# Altium PCB HV_Module_6W.PCBDOC (part 2 of 4) (continued)
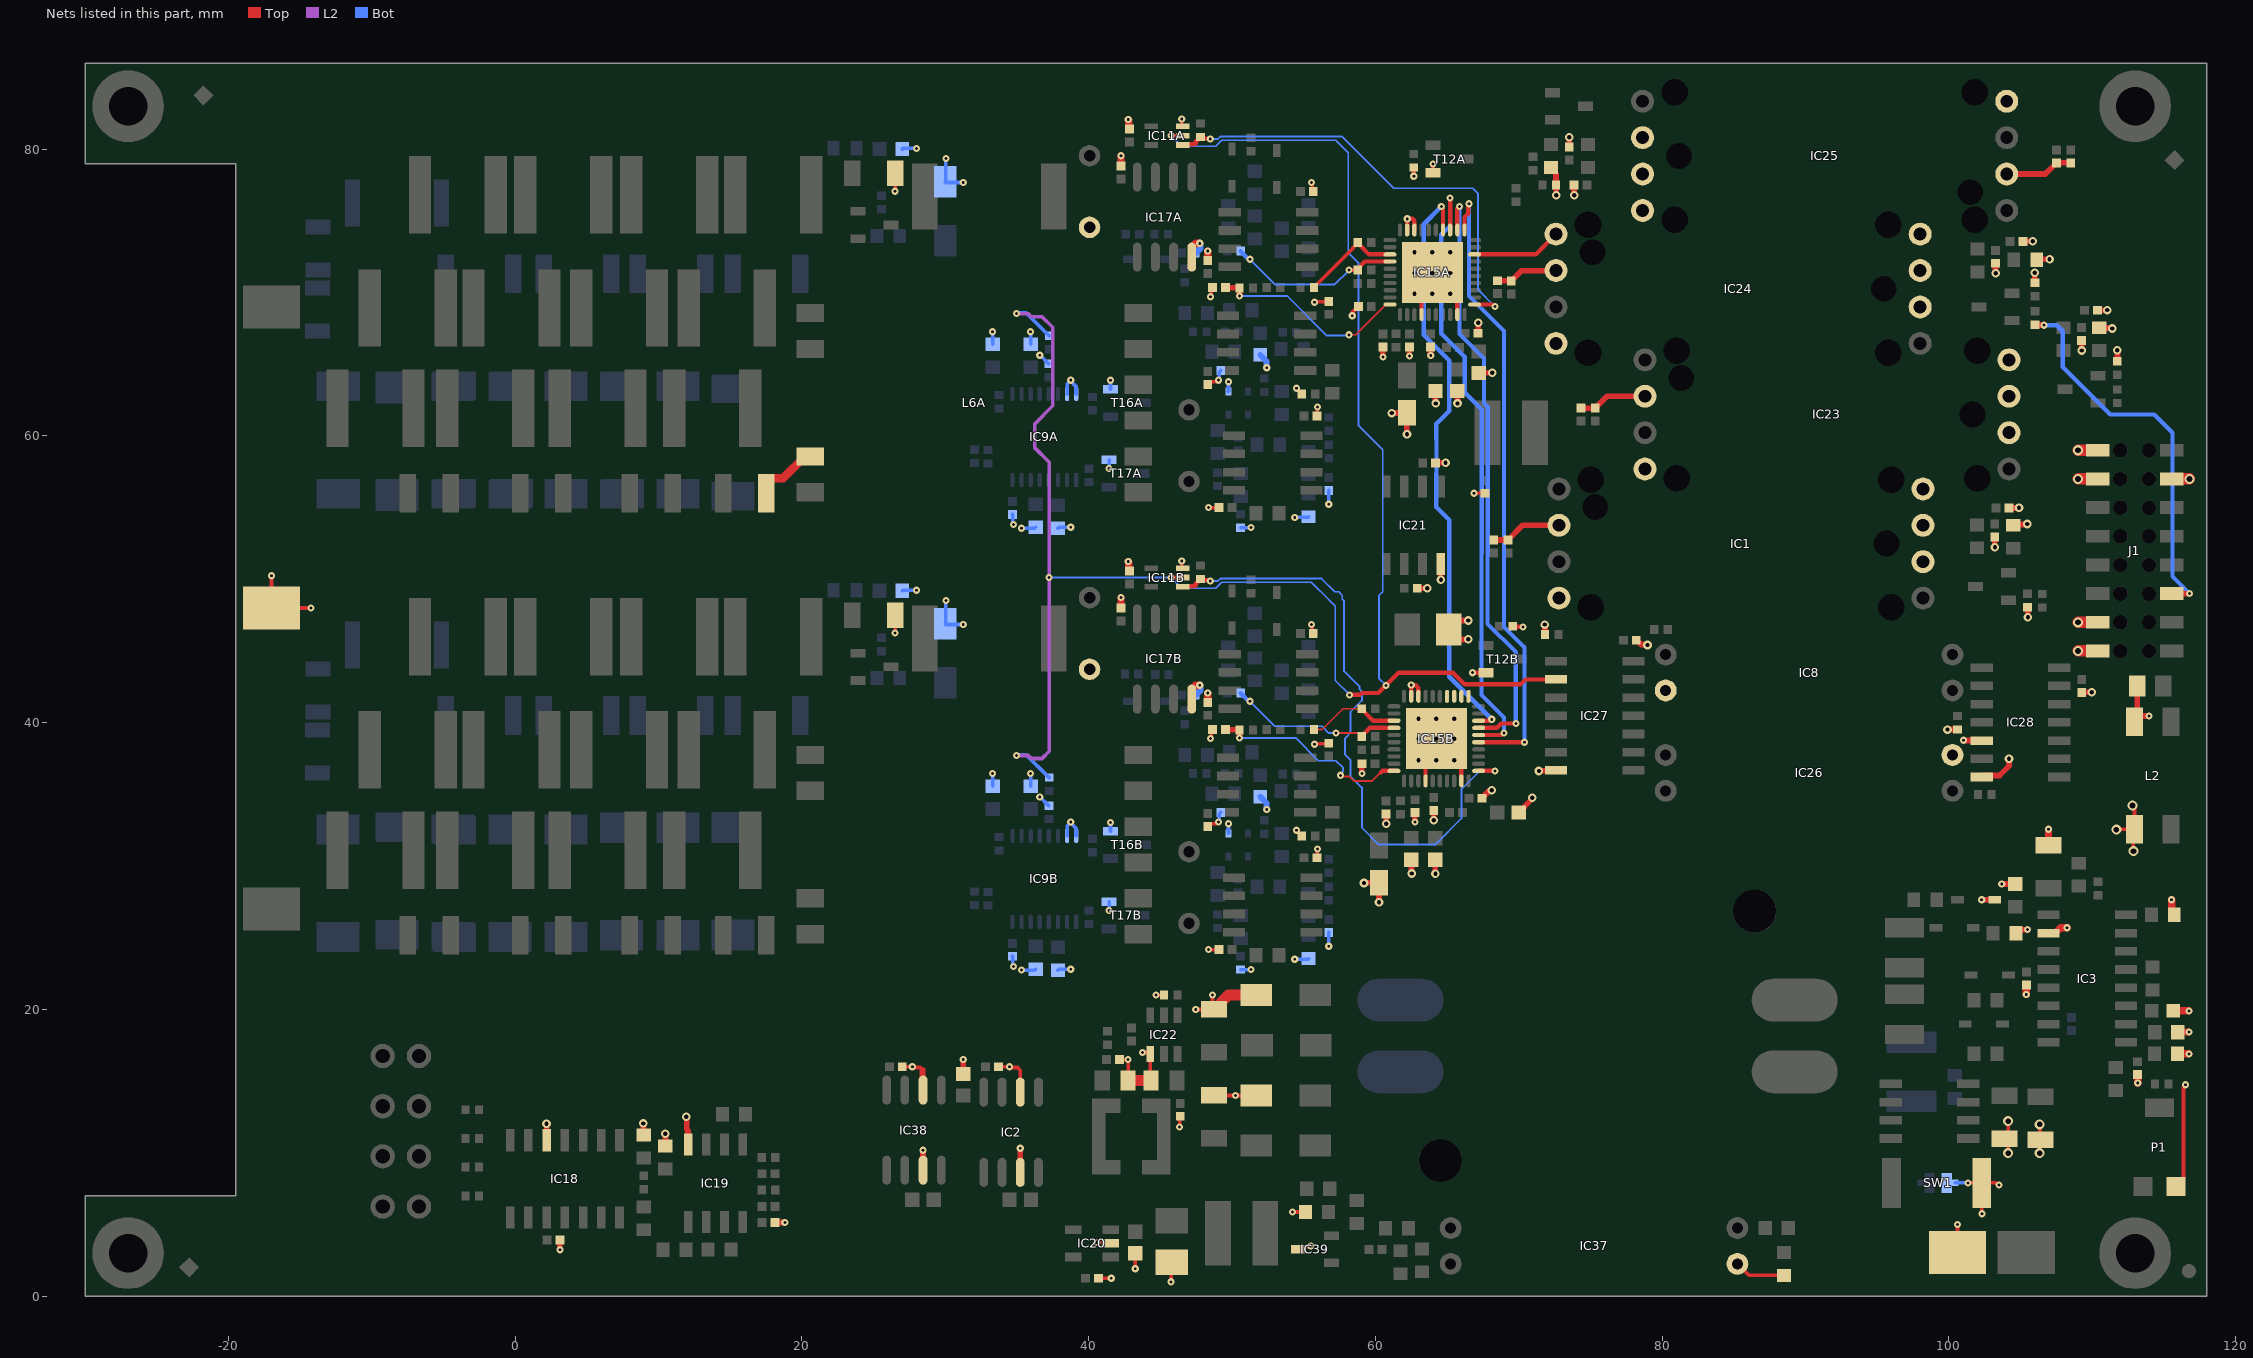
[diagram p4: the nets of this part, all layers, seen from the top]
## Part data (continued)
FTG1: library part FIDUCIAL_TARGET_C100-200, "Fiducial Target", Author="CERN DEM JLC", Component Type="Standard (No BOM)", ComponentHeight=0mm, CreateDate=09.02.2010, Family=Fiducial, HelpURL=Undefined, LatestRevisionDate=04.04.2012, Mounted=No, PackageDescription="Round Fiducial Target, Top Layer, 1.0mm, Top Solder 2.0mm, Keepout =2.0mm", Part Description="Round Fiducial Target, Top Layer, 1.0mm, Top Solder 2.0mm, Keepout =2.0mm", Part Number=FIDUCIAL_TARGET_C100-200, Pin Count=1, Sense=No, SMD=Yes, Socket=No, Status=None
FTG2 FTG3 FTG4: library part FIDUCIAL_TARGET_S100-200, "Fiducial Target", Author="CERN DEM JLC", Component Type="Standard (No BOM)", ComponentHeight=0mm, CreateDate=09.02.2010, Family=Fiducial, HelpURL=Undefined, LatestRevisionDate=04.04.2012, Mounted=No, PackageDescription="Square Fiducial Target, Top Layer, 1.0mm, Top Solder 2.0mm, Keepout =2.0mm", Part Description="Square Fiducial Target, Top Layer, 1.0mm, Top Solder 2.0mm, Keepout =2.0mm", Part Number=FIDUCIAL_TARGET_S100-200, Pin Count=1, Sense=No, SMD=Yes, Socket=No, Status=None
IC1 IC23 IC24 IC25: "High Voltage Galvanic Insulation Link for DC to 5MBaud", Manufacturer=BROADCOM, Author="CERN DEM HF", Bonding=No, Component Type=Standard, ComponentHeight=6.7mm, CreateDate=10.02.2022, Device=AFBR-390525RZ, HelpURL=\\cern.ch\dfs\Applications\Altium\Datasheets\AFBR-390525RZ.pdf, LatestRevisionDate=10.02.2022, Manufacturer Part Number=AFBR-390525RZ, Mounted=Yes, PackageDescription="BROADCOM AFBR-390525RZ Case, Body 30.46mm L X 10.16mm W X 6.7mm H", Part Description="High Voltage Galvanic Insulation Link for DC to 5MBaud, Length 25mm, 15kV Voltage Supperssion", Part Number=AFBR-390525RZ, Pin Count=8, PressFit=No, Sense=No, SMD=No, Socket=No
IC2 IC38: library part PM_TC7660, "20mA PUMP DC-TO-DC VOLTAGE CONVERTER"
IC3: library part PM_L6599, "Improved high voltage resonant LLC controller", Case=SO-16, Manufacturer="ST MICROELECTRONICS", Author=GK, Bonding=No, Component Type=Standard, ComponentHeight=1.75mm, CreateDate=2016-05-23, Device=L6599AD, LatestRevisionDate=2016-05-23, Manufacturer Part Number=L6599AD, Mounted=Yes, PackageDescription="SOIC 16, Pitch 1.27mm - Body 4x10mm, IPC Medium Density", Part Description="Improved high voltage resonant controller", Part Number=L6599AD, Pin Count=16, PressFit=No, Sense=No, SMD=Yes, Socket=No
IC8 IC26 IC37: library part OPTO-OPI1264C, "10kV opto-coupler", Supplier Part Number 1=08F2863, Supplier 1=Newark
IC9A IC9B: library part UC3872, "Resonant Lamp Ballast Controller"
IC11A IC11B: "Single Bus Buffer Gate With 3-State Output", Case=SOT353, Manufacturer=NEXPERIA, Author="CERN DEM JMW", Bonding=No, Component Type=Standard, ComponentHeight=1.1mm, CreateDate=06.08.2020, Device=74HCT1G125GW, HelpURL=\\cern.ch\dfs\Applications\Altium\Datasheets\74HCT1G125GW.pdf, LatestRevisionDate=06.08.2020, Manufacturer Part Number=74HCT1G125GW, Mounted=Yes, PackageDescription="SOT353, SC70-5, 0.65mm Pitch; 5 Pin, 1.25mm W X 2.00mm L X 1.10mm H body, IPC Medium Density", Part Description="Bus Buffer/Line Driver 3-State", Part Number=74HCT1G125GW, Pin Count=5, PressFit=No, Sense=No, SMD=Yes, Socket=No
IC13A IC13B IC14A IC14B IC16A IC16B: library part OA_ADA4510-2ARZ, "Precision, 40 V, ±70 nV/°C, Rail-to-Rail Input and Output Op Amp with DigiTrim", Case=SOIC8, Manufacturer="ANALOG DEVICES", Author=GK, Bonding=No, Component Type=Standard, ComponentHeight=1.75mm, CreateDate=05.01.2023, Device=ADA4510-2ARZ, HelpURL=\\cern.ch\dfs\Applications\Altium\Datasheets\ADA4522-X.pdf, LatestRevisionDate=05.01.2023, Manufacturer Part Number=ADA4510-2ARZ, Mounted=Yes, PackageDescription="SOIC 8, Pitch 1.27mm - Body 4x5mm, IPC Medium Density", Part Description="40V, EMI Enhanced, Zero Drift, Ultralow Noise, Dual Rail-to-Rail Output Operational Amplifier", Part Number=ADA4510-2ARZ, Pin Count=8, PressFit=No, Sense=No, SMD=Yes, Socket=No
IC15A IC15B: "12-/16-Bit DAS with ADC, DACs, DPIOs, APIOs, Reference, Voltage Monitors, and Temp Sensor", Case=QFN40, Manufacturer=MAXIM, Author="CERN DEM HF", Bonding=No, Component Type=Standard, ComponentHeight=0.8mm, CreateDate=09.02.2022, Device=MAX1329BETL+, HelpURL=\\cern.ch\dfs\Applications\Altium\Datasheets\MAX1329BETL+.pdf, LatestRevisionDate=09.02.2022, Manufacturer Part Number=MAX1329BETL+, Mounted=Yes, PackageDescription="QFN, 0.50mm Pitch, Square; 40 Pin, 6.00mm L X 6.00mm W X 0.80mm H body (w/Thermal Tab 4.25 X 4.25mm), IPC Medium Density", Part Description="12-/16-Bit DAS with ADC, DACs, DPIOs, APIOs, Reference, Voltage Monitors, and Temp Sensor", Part Number=MAX1329BETL+, Pin Count=41, PressFit=No, Sense=No, SMD=Yes, Socket=No
IC17A IC17B: library part OA_LMV358, "Low voltage, Rail-to_Rail output Operational Amplifier"
IC18: "Quad Operational Amplifier", Case=SOIC14, Manufacturer="TEXAS INSTRUMENTS", Author="CERN DEM MR", Bonding=No, Component Type=Standard, ComponentHeight=1.75mm, CreateDate=23.03.2016, Device=LP339M/NOPB, HelpURL=\\cern.ch\dfs\Applications\Altium\Datasheets\LP339M-NOPB.pdf, LatestRevisionDate=23.03.2016, Manufacturer Part Number=LP339M/NOPB, Mounted=Yes, PackageDescription="SOIC 14, Pitch 1.27mm - Body 4x8.75mm, IPC Medium Density", Part Description="Ultra-Low Power Quad Comparator", Part Number=LP339M/NOPB, Pin Count=14, PressFit=No, Sense=No, SMD=Yes, Socket=No
IC19: "Dual Operational Amplifier", Case=SOIC8, Manufacturer="ST MICROELECTRONICS", Author="CERN DEM HF", Bonding=No, Component Type=Standard, ComponentHeight=1.75mm, CreateDate=21.12.2023, Device=LMV358IDT, HelpURL=\\cern.ch\dfs\Applications\Altium\Datasheets\LMV358.pdf, LatestRevisionDate=21.12.2023, Manufacturer Part Number=LMV358IDT, Mounted=Yes, PackageDescription="SOIC 8, Pitch 1.27mm - Body 4x5mm, IPC Medium Density", Part Description="Dual General Purpose, Low Voltage, Tiny Pack Comparator", Part Number=LMV358IDT, Pin Count=8, PressFit=No, Sense=No, SMD=Yes, Socket=No
IC20: "3.3V 300mA, Ultra-Low Quiescent Current, IQ 12uA, Ultra-Low Noise, LDO Voltage Regulator", Case=SOT23-5, Manufacturer="ON SEMICONDUCTOR", Author="CERN DEM JLC", Bonding=No, Component Type=Standard, ComponentHeight=1.1mm, CreateDate=16.02.2017, Device=NCP703SN33T1G, HelpURL=\\cern.ch\dfs\Applications\Altium\Datasheets\NCP703SN33T1G.pdf, LatestRevisionDate=16.02.2017, Manufacturer Part Number=NCP703SN33T1G, Mounted=Yes, PackageDescription="SOT, 0.95mm Pitch; 5 Pin, 1.50mm W X 3.00mm L X 1.10mm H Body, IPC Medium Density", Part Description="3.3V 300mA, Ultra-Low Quiescent Current, IQ 12uA, Ultra-Low Noise, LDO Voltage Regulator", Part Number=NCP703SN33T1G, Pin Count=5, PressFit=No, Sense=No, SMD=Yes, Socket=No
IC21: "2.5V ±0.12% 10ppm/°C Ultralow Noise XFET Voltage References with Current Sink and Source Capability", Case=SOIC8, Manufacturer="ANALOG DEVICES", Author="CERN DEM JLC", Bonding=No, Component Type=Standard, ComponentHeight=1.75mm, CreateDate=26.08.2013, Device=ADR431ARZ, HelpURL=\\cern.ch\dfs\Applications\Altium\Datasheets\ADR431ARZ.pdf, LatestRevisionDate=26.08.2013, Manufacturer Part Number=ADR431ARZ, Mounted=Yes, PackageDescription="SOIC 8, Pitch 1.27mm, Body 4x5mm, IPC Medium Density", Part Description="2.5V Output,  3mV ±0.12% Accuracy, 10ppm/°C Ultralow Noise XFET Voltage References with Current Sink and Source Capability", Part Number=ADR431ARZ, Pin Count=6, PressFit=No, Sense=No, SMD=Yes, Socket=No
IC22: "4.2V TO 18V INPUT, 2A LOW IQ SYNCHRONOUS BUCK CONVERTER", Case=SOT23-6, Manufacturer="DIODES INCORPORATED", Author="CERN DEM HF", Bonding=No, Component Type=Standard, ComponentHeight=1.1mm, CreateDate=07.01.2022, Device=AP62201WU-7, HelpURL=\\cern.ch\dfs\Applications\Altium\Datasheets\AP6220x.pdf, LatestRevisionDate=07.01.2022, Manufacturer Part Number=AP62201WU-7, Mounted=Yes, PackageDescription="SOT23, 0.95mm Pitch; 6 Pin, 1.625mm W X 2.90mm L X 1.00mm H body, IPC Medium Density", Part Description="4.2V TO 18V INPUT, 2A LOW IQ SYNCHRONOUS BUCK CONVERTER", Part Number=AP62201WU-7, Pin Count=6, PressFit=No, Sense=No, SMD=Yes, Socket=No
IC27 IC28: "Hex Schmitt-Trigger Inverter", Case=SOIC14, Manufacturer="TEXAS INSTRUMENTS", Author="CERN DEM JMW", Bonding=No, Component Type=Standard, ComponentHeight=1.75mm, CreateDate=29.09.2008, Device=SN74LVC14AD, HelpURL=\\cern.ch\dfs\Applications\Altium\Datasheets\SN74LVC14AD.pdf, LatestRevisionDate=29.09.2008, Manufacturer Part Number=SN74LVC14AD, Mounted=Yes, PackageDescription="SOIC 14, Pitch 1.27mm - Body 4x8.75mm, IPC Medium Density", Part Description="Hex Schmitt-Trigger Inverter", Part Number=SN74LVC14AD, Pin Count=14, PressFit=No, Sense=No, SMD=Yes, Socket=No
IC39: "Precision Reference 1=Cathode 2=Adj 3=Anode", Case=SOT-23, Manufacturer="TEXAS INSTRUMENTS", Author="CERN DEM JMW", Bonding=No, Component Type=Standard, ComponentHeight=1.12mm, CreateDate=2015-10-22, Device=TL431AIDBZ, HelpURL=\\cern.ch\dfs\Applications\Altium\Datasheets\TL431AIDBZ.pdf, LatestRevisionDate=2015-10-22, Manufacturer Part Number=TL431AIDBZ, Mounted=Yes, PackageDescription="SOT, 0.95mm, Pitch; 3 Pin,1.30mm W X 2.92mm L X 1.12mm H Body, IPC Medium Density", Part Description="Vref (2.495V) To 36V 1% Precision Programmable Reference", Part Number=TL431AIDBZ, Pin Count=3, PressFit=No, Sense=No, SMD=Yes, Socket=No
J1: library part 62131621821, "Socket Header WR-PHD, Pitch 2.00 mm, SMT, Vertical, dual row, 16 pin", Contact Resistance="20 mOhm", Insulation Resistance=">1000 MOhm", Operating Temperature="-40 to 105 degC", Rated Current="2 A", Working Voltage="200 VAC", ComponentLink1Description=Manufacturer, ComponentLink1URL=http://www.we-online.de, ComponentLink2Description=Datasheet, ComponentLink2URL=http://katalog.we-online.com/em/datasheet/62131621821.pdf, Mounting Technology=SMT, Orientation=Vertical, Part Number=62131621821, Pin Number=16, Pitch="2.00 mm", Published Date="Jan. 2018", Publisher="Wurth Elektronik", Row Number=dual
J3 J4 J7 J11 J12: library part SMD_PAD_4X3MM, "Single SMD Pad", Author="CERN DEM JLC", Component Type="Standard (No BOM)", ComponentHeight=0mm, Family="SMD Pad", HelpURL=Undefined, Mounted=No, PackageDescription="4mm x  3mm SMD Pad", Part Description="4mm x 3mm SMD Pad", Part Number=SMD_PAD_4X3MM, Pin Count=1, Sense=No, SMD=No, Socket=No, Status=None
  J3 J4 J7: CreateDate=15.03.2010, LatestRevisionDate=15.03.2010
  J11 J12: CreateDate=2010-03-15, LatestRevisionDate=2010-03-15
L1 L9: library part 760308101104, "WE-WPCC Wireless Power Transfer Transmitter Coil, THT, works with Qi Tx IC's, 6.8uH, 50W", DC Resistance Max=130mOhm, Manufacturer="Wurth Elektronik", Operating Temperature Max=105°C, Operating Temperature Min=-20°C, Power Capability=50W, Rated Current=2.5A, Self Resonant Frequency=20MHz, Category="Wireless Power Transmission", Compliance="works with Qi Tx IC's", ComponentLink1Description="Website Link", ComponentLink1URL=https://www.we-online.com/redexpert/article/760308101104?ad, ComponentLink2Description="Datasheet Link", ComponentLink2URL=https://www.we-online.com/redexpert/spec/760308101104?ad, Diameter=20mm, Height=2.8mm, Inductance=6.8uH, Manufacturer Part Number=760308101104, Match Code=WE-WPCC, Mount="Through Hole", Packaging=Tray, Q Factor=42
L2: library part IND_250UH_50%_WURTH_WE-SL2-744224, "Inductor Common Mode", Manufacturer="WURTH ELEKTRONIK", Manufacturer Part Number=744224, Power=1.2A, Resistance=0.13R, Tolerance=±50%, Author="CERN DEM JLC", Component Type=Standard, ComponentHeight=5.3mm, CreateDate=02.12.2009, HelpURL=\\cern.ch\dfs\Applications\Altium\Datasheets\IND_WURTH_WE-SL2_744224.pdf, LatestRevisionDate=15.10.2012, Mounted=Yes, Part Description="Common Mode SMD Line Filter (WE-SL2 Series)", Part Number=IND_250UH_50%_WURTH_WE-SL2-744224, Pin Count=4, Sense=No, SMD=Yes, Socket=No
L3 L7: library part IND_10UH_20%_BOURNS_PM43, "Inductor With Core", Manufacturer=BOURNS, Manufacturer Part Number=PM43-100M-RC, Power=1.15A, Resistance=0.18R, Tolerance=±20%, Author="CERN DEM JLC", Component Type=Standard, ComponentHeight=3.5mm, CreateDate=17/05/2011, HelpURL=\\cern.ch\dfs\Applications\Altium\Datasheets\IND_BOURNS_PM43.pdf, LatestRevisionDate=17/05/2011, Mounted=Yes, Part Description="SMD Power Inductor", Part Number=IND_10UH_20%_BOURNS_PM43, Pin Count=2, Sense=No, SMD=Yes, Socket=No, Status=None
L4: library part IND_3.3UH_30%_WURTH_WE-TPC_744043003, "Inductor With Core", Manufacturer="WURTH ELEKTRONIK", Manufacturer Part Number=744043003, Power=2.15A, Resistance=0.03R, Tolerance=±30%, Author="CERN DEM JLC", Component Type=Standard, ComponentHeight=3mm, CreateDate=12.07.2011, HelpURL=\\cern.ch\dfs\Applications\Altium\Datasheets\IND_WURTH_WE-TPC_744043003.pdf, LatestRevisionDate=24.01.2012, Mounted=Yes, Part Description="Shielded Tiny Power Inductor (WE-TPC Serie)", Part Number=IND_3.3UH_30%_WURTH_WE-TPC_744043003, Pin Count=2, Sense=No, SMD=Yes, Socket=No
L6A L6B: library part XFMR_COILCRAFT_FL2015-5L, "Shielded Power Inductor", Manufacturer=COILCRAFT, Manufacturer Part Number=FL2015-5L, Author="CERN DEM HF", Component Type=Standard, ComponentHeight=7.87mm, CreateDate=20.12.2023, HelpURL=\\cern.ch\dfs\Applications\Altium\Datasheets\XFMR_COILCRAFT_FL2015.pdf, LatestRevisionDate=20.12.2023, Mounted=Yes, Part Description="Transformers for Royer and Flyback Topologies FL Series", Part Number=XFMR_COILCRAFT_FL2015-5L, Pin Count=10, Sense=No, SMD=Yes, Socket=No, Status=None
L8A L8B: library part IND_150UH_30%_WURTH_WE-TPC_744066151, "Inductor With Core", Manufacturer="WURTH ELEKTRONIK", Manufacturer Part Number=744066151, Power=3A, Resistance=0.400R, Tolerance=±30%, Author="CERN DEM HF", Component Type=Standard, ComponentHeight=4.1mm, CreateDate=20.12.2023, HelpURL=\\cern.ch\dfs\Applications\Altium\Datasheets\IND_WURTH_WE-TPC_744066151.pdf, LatestRevisionDate=20.12.2023, Mounted=Yes, Part Description="Shielded Tiny Power Inductor (WE-TPC Series)", Part Number=IND_150UH_30%_WURTH_WE-TPC_744066151, Pin Count=2, Sense=No, SMD=Yes, Socket=No
LD1 LD3: library part LED_DIALIGHT_555-2301F, "LED Green 1C 2A", Manufacturer=DIALIGHT, Manufacturer Part Number=555-2301F, Author="CERN DEM JMW", Bonding=No, Color=Green, Component Type=Standard, ComponentHeight=6.35mm, CreateDate=22.09.2008, HelpURL=\\cern.ch\dfs\Applications\Altium\Datasheets\LED_DIALIGHT_555-2301F.pdf, LatestRevisionDate=17.03.2010, Mounted=Yes, PackageDescription="Single 2mm Green LED, Body 5.08x2.54mm, Pin spacing 2.54mm", Part Description="Single 2mm Green LED CBI® Circuit Board Indicator", Part Number=LED_DIALIGHT_555-2301F, Pin Count=2, PressFit=No, Sense=No, SMD=No, Socket=No
LD2 LD4: library part LED_DIALIGHT_555-2001F, "LED Red 1C 2A", Manufacturer=DIALIGHT, Manufacturer Part Number=555-2001F, Author="CERN DEM JMW", Bonding=No, Color=Red, Component Type=Standard, ComponentHeight=6.35mm, CreateDate=22.09.2008, HelpURL=\\cern.ch\dfs\Applications\Altium\Datasheets\LED_DIALIGHT_555-2001F.pdf, LatestRevisionDate=17.03.2010, Mounted=Yes, PackageDescription="Single 2mm Red LED, Body 5.08x2.54mm, Pin spacing 2.54mm", Part Description="Single 2mm Red LED CBI® Circuit Board Indicator", Part Number=LED_DIALIGHT_555-2001F, Pin Count=2, PressFit=No, Sense=No, SMD=No, Socket=No
LP1 LP2 LP3 LP4: library part LEDLP_BIVAR_PLP2-1200, "LED Light Pipe x1 Type1", Manufacturer=BIVAR, Manufacturer Part Number=PLP2-1200, Author="CERN DEM HF", Bonding=No, Component Type=Standard, ComponentHeight=31.3mm, CreateDate=09.02.2022, HelpURL=\\cern.ch\dfs\Applications\Altium\Datasheets\LEDLP_BIVAR_PLP2-1200.pdf, LatestRevisionDate=09.02.2022, Mounted=Yes, PackageDescription="3mm Dome Leens, Single Station Vertivcal Round Lightpipe Height 1.2 in. (30.5mm)", Part Description="3mm Dome Leens, Single Station Vertivcal Round Lightpipe Height 1.2 in. (30.5mm)", Part Number=LEDLP_BIVAR_PLP2-1200, Pin Count=0, PressFit=No, Sense=No, SMD=No, Socket=No
P1: library part TRIM_1T_10K_BOURNS_3314G-1-103E, "Trimming Potentiometer", Case=3314G-1, Manufacturer=BOURNS, Manufacturer Part Number=3314G-1-103E, Power=0.25W, Tolerance=±20%, Author="CERN DEM JLC", Component Type=Standard, ComponentHeight=2.55mm, CreateDate=2014-03-04, HelpURL=\\cern.ch\dfs\Applications\Altium\Datasheets\TRIM_BOURNS_3314G-1.pdf, LatestRevisionDate=2014-03-04, Mounted=Yes, Part Description="Single Turn 4mm Square Trimpot® Trimming Potentiometer (Top Adjust)", Part Number=TRIM_1T_10K_BOURNS_3314G-1-103E, Pin Count=3, Sense=No, SMD=Yes, Socket=No, TC=±100ppm/°C
R1 R6 R98 R102: library part R0603_390R_1%_0.1W_100PPM, "Resistor - 1%", Case=0603, Manufacturer=GENERIC, Manufacturer1 ComponentHeight=0.55mm, Manufacturer1 Example="NIC COMPONENT", Manufacturer1 Part Number=NRC06F3900TRF, Power=0.1W, Tolerance=±1%, Author="CERN DEM JLC", Component Type=Standard, CreateDate=03.12.2007, HelpURL=\\cern.ch\dfs\Applications\Altium\Datasheets\R0603_NIC_NRC.pdf, LatestRevisionDate=13.03.2008, Manufacturer Part Number=R0603_390R_1%_0.1W_100PPM, Mounted=Yes, Part Description="General Purpose Thick Film Chip Resistor", Part Number=R0603_390R_1%_0.1W_100PPM, Pin Count=2, PressFit=No, Sense=No, SMD=Yes, Socket=No, Status=Preferred, TC=±100ppm/°C
R2 R95 R99 R103: library part R0402_47R_1%_0.0625W_100PPM, "Resistor - 1%", Case=0402, Manufacturer=GENERIC, Manufacturer1 ComponentHeight=0.4mm, Manufacturer1 Example="YAGEO PHYCOMP", Manufacturer1 Part Number=232270674709L, Power=0.0625W, Tolerance=±1%, Author="CERN DEM JLC", Component Type=Standard, CreateDate=03.12.2007, HelpURL=\\cern.ch\dfs\Applications\Altium\Datasheets\R0402_Phycomp_RC0402.pdf, LatestRevisionDate=17.10.2012, Manufacturer Part Number=R0402_47R_1%_0.0625W_100PPM, Mounted=Yes, Part Description="General Purpose Thick Film Chip Resistor", Part Number=R0402_47R_1%_0.0625W_100PPM, Pin Count=2, PressFit=No, Sense=No, SMD=Yes, Socket=No, Status="Not Recommended", TC=±100ppm/°C
R3 R57 R67 R70 R71 R72 R78A R78B R80A R80B R90A R90B R93A R93B R94A R94B R96 R100 R104 R109 R177A R177B R182A R182B R189: library part R0402_1K_1%_0.0625W_100PPM, "Resistor - 1%", Case=0402, Manufacturer=GENERIC, Manufacturer1 ComponentHeight=0.4mm, Manufacturer1 Example="YAGEO PHYCOMP", Manufacturer1 Part Number=232270671002L, Power=0.0625W, Tolerance=±1%, Author="CERN DEM JLC", Component Type=Standard, HelpURL=\\cern.ch\dfs\Applications\Altium\Datasheets\R0402_Phycomp_RC0402.pdf, Manufacturer Part Number=R0402_1K_1%_0.0625W_100PPM, Mounted=Yes, Part Description="General Purpose Thick Film Chip Resistor", Part Number=R0402_1K_1%_0.0625W_100PPM, Pin Count=2, Sense=No, SMD=Yes, Socket=No, TC=±100ppm/°C
  R3 R96 R100 R104: CreateDate=03.12.2007, LatestRevisionDate=17.10.2012, PressFit=No, Status="Not Recommended"
  R57 R67 R70 R71 R72 R78A R78B R80A R80B R90A R90B R93A R93B R94A R94B R109 R177A R177B R182A R182B R189: CreateDate=2007-12-03, LatestRevisionDate=2012-10-17, Status="Not recommended"
R4 R97 R101 R105: library part R0603_150R_1%_0.1W_100PPM, "Resistor - 1%", Case=0603, Manufacturer=GENERIC, Manufacturer1 ComponentHeight=0.55mm, Manufacturer1 Example="NIC COMPONENT", Manufacturer1 Part Number=NRC06F1500TRF, Power=0.1W, Tolerance=±1%, Author="CERN DEM JLC", Component Type=Standard, CreateDate=03.12.2007, HelpURL=\\cern.ch\dfs\Applications\Altium\Datasheets\R0603_NIC_NRC.pdf, LatestRevisionDate=13.03.2008, Manufacturer Part Number=R0603_150R_1%_0.1W_100PPM, Mounted=Yes, Part Description="General Purpose Thick Film Chip Resistor", Part Number=R0603_150R_1%_0.1W_100PPM, Pin Count=2, PressFit=No, Sense=No, SMD=Yes, Socket=No, Status=Preferred, TC=±100ppm/°C
R5 R56 R59 R62A R62B R66 R68 R69 R84A R84B: library part R0603_100K_1%_0.1W_100PPM, "Resistor - 1%", Case=0603, Manufacturer=GENERIC, Manufacturer1 ComponentHeight=0.55mm, Manufacturer1 Example="NIC COMPONENT", Manufacturer1 Part Number=NRC06F1003TRF, Power=0.1W, Tolerance=±1%, Author="CERN DEM JLC", Component Type=Standard, CreateDate=2007-12-03, HelpURL=\\cern.ch\dfs\Applications\Altium\Datasheets\R0603_NIC_NRC.pdf, LatestRevisionDate=2008-03-13, Manufacturer Part Number=R0603_100K_1%_0.1W_100PPM, Mounted=Yes, Part Description="General Purpose Thick Film Chip Resistor", Part Number=R0603_100K_1%_0.1W_100PPM, Pin Count=2, Sense=No, SMD=Yes, Socket=No, Status=Preferred, TC=±100ppm/°C
R7: library part R0402_43K_1%_0.0625W_100PPM, "Resistor - 1%", Case=0402, Manufacturer=GENERIC, Manufacturer1 ComponentHeight=0.4mm, Manufacturer1 Example="YAGEO PHYCOMP", Manufacturer1 Part Number=232270674303L, Power=0.0625W, Tolerance=±1%, Author="CERN DEM JLC", Component Type=Standard, CreateDate=03.12.2007, HelpURL=\\cern.ch\dfs\Applications\Altium\Datasheets\R0402_Phycomp_RC0402.pdf, LatestRevisionDate=17.10.2012, Manufacturer Part Number=R0402_43K_1%_0.0625W_100PPM, Mounted=Yes, Part Description="General Purpose Thick Film Chip Resistor", Part Number=R0402_43K_1%_0.0625W_100PPM, Pin Count=2, PressFit=No, Sense=No, SMD=Yes, Socket=No, Status="Not Recommended", TC=±100ppm/°C
R8: library part R0402_8K2_1%_0.0625W_100PPM, "Resistor - 1%", Case=0402, Manufacturer=GENERIC, Manufacturer1 ComponentHeight=0.4mm, Manufacturer1 Example="YAGEO PHYCOMP", Manufacturer1 Part Number=232270678202L, Power=0.0625W, Tolerance=±1%, Author="CERN DEM JLC", Component Type=Standard, CreateDate=03.12.2007, HelpURL=\\cern.ch\dfs\Applications\Altium\Datasheets\R0402_Phycomp_RC0402.pdf, LatestRevisionDate=17.10.2012, Manufacturer Part Number=R0402_8K2_1%_0.0625W_100PPM, Mounted=Yes, Part Description="General Purpose Thick Film Chip Resistor", Part Number=R0402_8K2_1%_0.0625W_100PPM, Pin Count=2, PressFit=No, Sense=No, SMD=Yes, Socket=No, Status="Not Recommended", TC=±100ppm/°C
R9A R9B R28A R28B R79A R79B R91A R91B: library part R0603_3K32_0.1%_0.063W_10PPM, "Resistor - 0.1%", Case=0603, Manufacturer=GENERIC, Manufacturer1 ComponentHeight=0.5mm, Manufacturer1 Example="TYCO HOLSWORTHY", Manufacturer1 Part Number=RN73C1J3K32BTDF, Power=0.063W, Tolerance=±0.1%, Author="CERN DEM JLC", Component Type=Standard, CreateDate=03.12.2007, HelpURL=\\cern.ch\dfs\Applications\Altium\Datasheets\R0603_Tyco_RN73.pdf, LatestRevisionDate=13.03.2008, Manufacturer Part Number=R0603_3K32_0.1%_0.063W_10PPM, Mounted=Yes, Part Description="Thin Film Chip Resistor", Part Number=R0603_3K32_0.1%_0.063W_10PPM, Pin Count=2, PressFit=No, Sense=No, SMD=Yes, Socket=No, Status="Not Recommended", TC=±10ppm
R20A R20B R22A R22B R25A R25B R27A R27B R74A R74B: library part R0402_0R_JUMPER, "Resistor", Case=0402, Manufacturer=GENERIC, Manufacturer1 ComponentHeight=0.4mm, Manufacturer1 Example="YAGEO PHYCOMP", Manufacturer1 Part Number=232270591001L, Author="CERN DEM JLC", Component Type=Standard, CreateDate=03.12.2007, HelpURL=\\cern.ch\dfs\Applications\Altium\Datasheets\R0402_Phycomp_RC0402.pdf, LatestRevisionDate=17.10.2012, Manufacturer Part Number=R0402_0R_JUMPER, Mounted=Yes, Part Description="1A (0.05R Max DC Resistance) Zero Ohm Jumper", Part Number=R0402_0R_JUMPER, Pin Count=2, PressFit=No, Sense=No, SMD=Yes, Socket=No, Status="Not Recommended"
R21 R23 R24 R106 R172A R172B: library part R0402_330R_1%_0.0625W_100PPM, "Resistor - 1%", Case=0402, Manufacturer=GENERIC, Manufacturer1 ComponentHeight=0.4mm, Manufacturer1 Example="YAGEO PHYCOMP", Manufacturer1 Part Number=232270673301L, Power=0.0625W, Tolerance=±1%, Author="CERN DEM JLC", Component Type=Standard, CreateDate=2007-12-03, HelpURL=\\cern.ch\dfs\Applications\Altium\Datasheets\R0402_Phycomp_RC0402.pdf, LatestRevisionDate=2012-10-17, Manufacturer Part Number=R0402_330R_1%_0.0625W_100PPM, Mounted=Yes, Part Description="General Purpose Thick Film Chip Resistor", Part Number=R0402_330R_1%_0.0625W_100PPM, Pin Count=2, Sense=No, SMD=Yes, Socket=No, Status="Not recommended", TC=±100ppm/°C
R26 R30 R33 R164A R164B R185 R188 R191 R192 R193 R194 R197: library part R0603_47R_1%_0.1W_100PPM, "Resistor - 1%", Case=0603, Manufacturer=GENERIC, Manufacturer1 ComponentHeight=0.55mm, Manufacturer1 Example="NIC COMPONENT", Manufacturer1 Part Number=NRC06F47R0TRF, Power=0.1W, Tolerance=±1%, Author="CERN DEM JLC", Component Type=Standard, CreateDate=2007-12-03, HelpURL=\\cern.ch\dfs\Applications\Altium\Datasheets\R0603_NIC_NRC.pdf, LatestRevisionDate=2008-03-13, Manufacturer Part Number=R0603_47R_1%_0.1W_100PPM, Mounted=Yes, Part Description="General Purpose Thick Film Chip Resistor", Part Number=R0603_47R_1%_0.1W_100PPM, Pin Count=2, Sense=No, SMD=Yes, Socket=No, Status=Preferred, TC=±100ppm/°C
R29: library part R2512_0R5_1%_1.5W_100PPM, "Resistor - 1%", Case=2512, Manufacturer=GENERIC, Manufacturer1 ComponentHeight=0.8mm, Manufacturer1 Example=WELWYN, Manufacturer1 Part Number=LR2512-R50FW, Power=1.5W, Tolerance=±1%, Author="CERN DEM JLC", Component Type=Standard, CreateDate=2010-08-23, HelpURL=\\cern.ch\dfs\Applications\Altium\Datasheets\R2512_WELWYN_LR.pdf, LatestRevisionDate=2010-08-23, Manufacturer Part Number=R2512_0R5_1%_1.5W_100PPM, Mounted=Yes, Part Description="Thick Film Chip Resistor", Part Number=R2512_0R5_1%_1.5W_100PPM, Pin Count=2, Sense=No, SMD=Yes, Socket=No, Status=None, TC=±100ppm/°C
R32 R186 R196: library part R0603_2K7_1%_0.1W_100PPM, "Resistor - 1%", Case=0603, Manufacturer=GENERIC, Manufacturer1 ComponentHeight=0.55mm, Manufacturer1 Example="YAGEO PHYCOMP", Manufacturer1 Part Number=RC0603FR-072K7L, Power=0.1W, Tolerance=±1%, Author="CERN DEM JLC", Component Type=Standard, CreateDate=2011-05-02, HelpURL=\\cern.ch\dfs\Applications\Altium\Datasheets\R0603_PHYCOMP_RC0603.pdf, LatestRevisionDate=2011-05-02, Manufacturer Part Number=R0603_2K7_1%_0.1W_100PPM, Mounted=Yes, Part Description="General Purpose Thick Film Chip Resistor", Part Number=R0603_2K7_1%_0.1W_100PPM, Pin Count=2, Sense=No, SMD=Yes, Socket=No, Status=Preferred, TC=±100ppm/°C
R49A R49B R64A R64B R107 R108 R166A R166B R173A R173B R174A R174B R175A R175B R176A R176B R178A R178B R179A R179B R180A R180B: library part R0402_10K_1%_0.0625W_100PPM, "Resistor - 1%", Case=0402, Manufacturer=GENERIC, Manufacturer1 ComponentHeight=0.4mm, Manufacturer1 Example="YAGEO PHYCOMP", Manufacturer1 Part Number=232270671003L, Power=0.0625W, Tolerance=±1%, Author="CERN DEM JLC", Component Type=Standard, CreateDate=2007-12-03, HelpURL=\\cern.ch\dfs\Applications\Altium\Datasheets\R0402_Phycomp_RC0402.pdf, LatestRevisionDate=2012-10-17, Manufacturer Part Number=R0402_10K_1%_0.0625W_100PPM, Mounted=Yes, Part Description="General Purpose Thick Film Chip Resistor", Part Number=R0402_10K_1%_0.0625W_100PPM, Pin Count=2, Sense=No, SMD=Yes, Socket=No, Status="Not recommended", TC=±100ppm/°C
R58A R58B R82A R82B R181A R181B R184A R184B: library part R0402_13R_1%_0.0625W_100PPM, "Resistor - 1%", Case=0402, Manufacturer=GENERIC, Manufacturer1 ComponentHeight=0.4mm, Manufacturer1 Example="YAGEO PHYCOMP", Manufacturer1 Part Number=232270671309L, Power=0.0625W, Tolerance=±1%, Author="CERN DEM JLC", Component Type=Standard, CreateDate=03.12.2007, HelpURL=\\cern.ch\dfs\Applications\Altium\Datasheets\R0402_Phycomp_RC0402.pdf, LatestRevisionDate=17.10.2012, Manufacturer Part Number=R0402_13R_1%_0.0625W_100PPM, Mounted=Yes, Part Description="General Purpose Thick Film Chip Resistor", Part Number=R0402_13R_1%_0.0625W_100PPM, Pin Count=2, PressFit=No, Sense=No, SMD=Yes, Socket=No, Status="Not Recommended", TC=±100ppm/°C
R60A R60B R63A R63B R85A R85B R87A R87B: library part R0603_10K_0.1%_0.063W_10PPM, "Resistor - 0.1%", Case=0603, Manufacturer=GENERIC, Manufacturer1 ComponentHeight=0.5mm, Manufacturer1 Example="TYCO HOLSWORTHY", Manufacturer1 Part Number=RN73C1J10KBTDF, Power=0.063W, Tolerance=±0.1%, Author="CERN DEM JLC", Component Type=Standard, CreateDate=03.12.2007, HelpURL=\\cern.ch\dfs\Applications\Altium\Datasheets\R0603_Tyco_RN73.pdf, LatestRevisionDate=13.03.2008, Manufacturer Part Number=R0603_10K_0.1%_0.063W_10PPM, Mounted=Yes, Part Description="Thin Film Chip Resistor", Part Number=R0603_10K_0.1%_0.063W_10PPM, Pin Count=2, PressFit=No, Sense=No, SMD=Yes, Socket=No, Status="Not Recommended", TC=±10ppm
R61A R61B: library part R0603_30K_0.1%_0.063W_25PPM, "Resistor - 0.1%", Case=0603, Manufacturer=GENERIC, Manufacturer1 ComponentHeight=0.55mm, Manufacturer1 Example="TE CONNECTIVITY", Manufacturer1 Part Number=CPF0603B30KE1, Power=0.063W, Tolerance=±0.1%, Author="CERN DEM JMW", Component Type=Standard, CreateDate=28.07.2021, HelpURL=\\cern.ch\dfs\Applications\Altium\Datasheets\R0603_TYCO_CPF.pdf, LatestRevisionDate=28.07.2021, Manufacturer Part Number=R0603_30K_0.1%_0.063W_25PPM, Mounted=Yes, Part Description="Thin Film Chip Resistor", Part Number=R0603_30K_0.1%_0.063W_25PPM, Pin Count=2, PressFit=No, Sense=No, SMD=Yes, Socket=No, Status="Not Recommended", TC=±25ppm
R73A R73B: library part R0603_7K5_1%_0.1W_100PPM, "Resistor - 1%", Case=0603, Manufacturer=GENERIC, Manufacturer1 ComponentHeight=0.55mm, Manufacturer1 Example="NIC COMPONENT", Manufacturer1 Part Number=NRC06F7501TRF, Power=0.1W, Tolerance=±1%, Author="CERN DEM JLC", Component Type=Standard, CreateDate=03.12.2007, HelpURL=\\cern.ch\dfs\Applications\Altium\Datasheets\R0603_NIC_NRC.pdf, LatestRevisionDate=13.03.2008, Manufacturer Part Number=R0603_7K5_1%_0.1W_100PPM, Mounted=Yes, Part Description="General Purpose Thick Film Chip Resistor", Part Number=R0603_7K5_1%_0.1W_100PPM, Pin Count=2, PressFit=No, Sense=No, SMD=Yes, Socket=No, Status=Preferred, TC=±100ppm/°C
R75A R75B R76A R76B R77A R77B R81A R81B: library part R1210_1M0_0.1%_1W_25ppm_HVCB2010BDE10M0, "RES, HV, 2010, 10 Mohm, 0.1%, 25 ppm, 1W", Case=2010, Manufacturer="Stackpole Electronics", Manufacturer1 ComponentHeight=0.65mm, Manufacturer Part Number=HVCB2010BDE10M0, Power=1W, Tolerance=±0.1%, Author=GK, Component Type=Standard, CreateDate=26.02.2015, HelpURL=\\cern.ch\dfs\Applications\Altium\Datasheets\R2010_WELWYN_LHVC.pdf, LatestRevisionDate=26.02.2015, Mounted=Yes, Part Description="Thick Film Chip Resistor", Part Number=R1210_1M0_0.1%_1W_25ppm_HVCB2010BDE10M0, Pin Count=2, PressFit=No, Sense=No, SMD=Yes, Socket=No, Status=None, TC=±25ppm/°C
R83A R83B R92A R92B R165A R165B: library part R0402_33R_1%_0.0625W_100PPM, "Resistor - 1%", Case=0402, Manufacturer=GENERIC, Manufacturer1 ComponentHeight=0.4mm, Manufacturer1 Example="YAGEO PHYCOMP", Manufacturer1 Part Number=232270673309L, Power=0.0625W, Tolerance=±1%, Author="CERN DEM JLC", Component Type=Standard, HelpURL=\\cern.ch\dfs\Applications\Altium\Datasheets\R0402_Phycomp_RC0402.pdf, Manufacturer Part Number=R0402_33R_1%_0.0625W_100PPM, Mounted=Yes, Part Description="General Purpose Thick Film Chip Resistor", Part Number=R0402_33R_1%_0.0625W_100PPM, Pin Count=2, Sense=No, SMD=Yes, Socket=No, TC=±100ppm/°C